# Altium PCB Coral Dev Board Micro.PcbDoc (part 1 of 6) (continued)
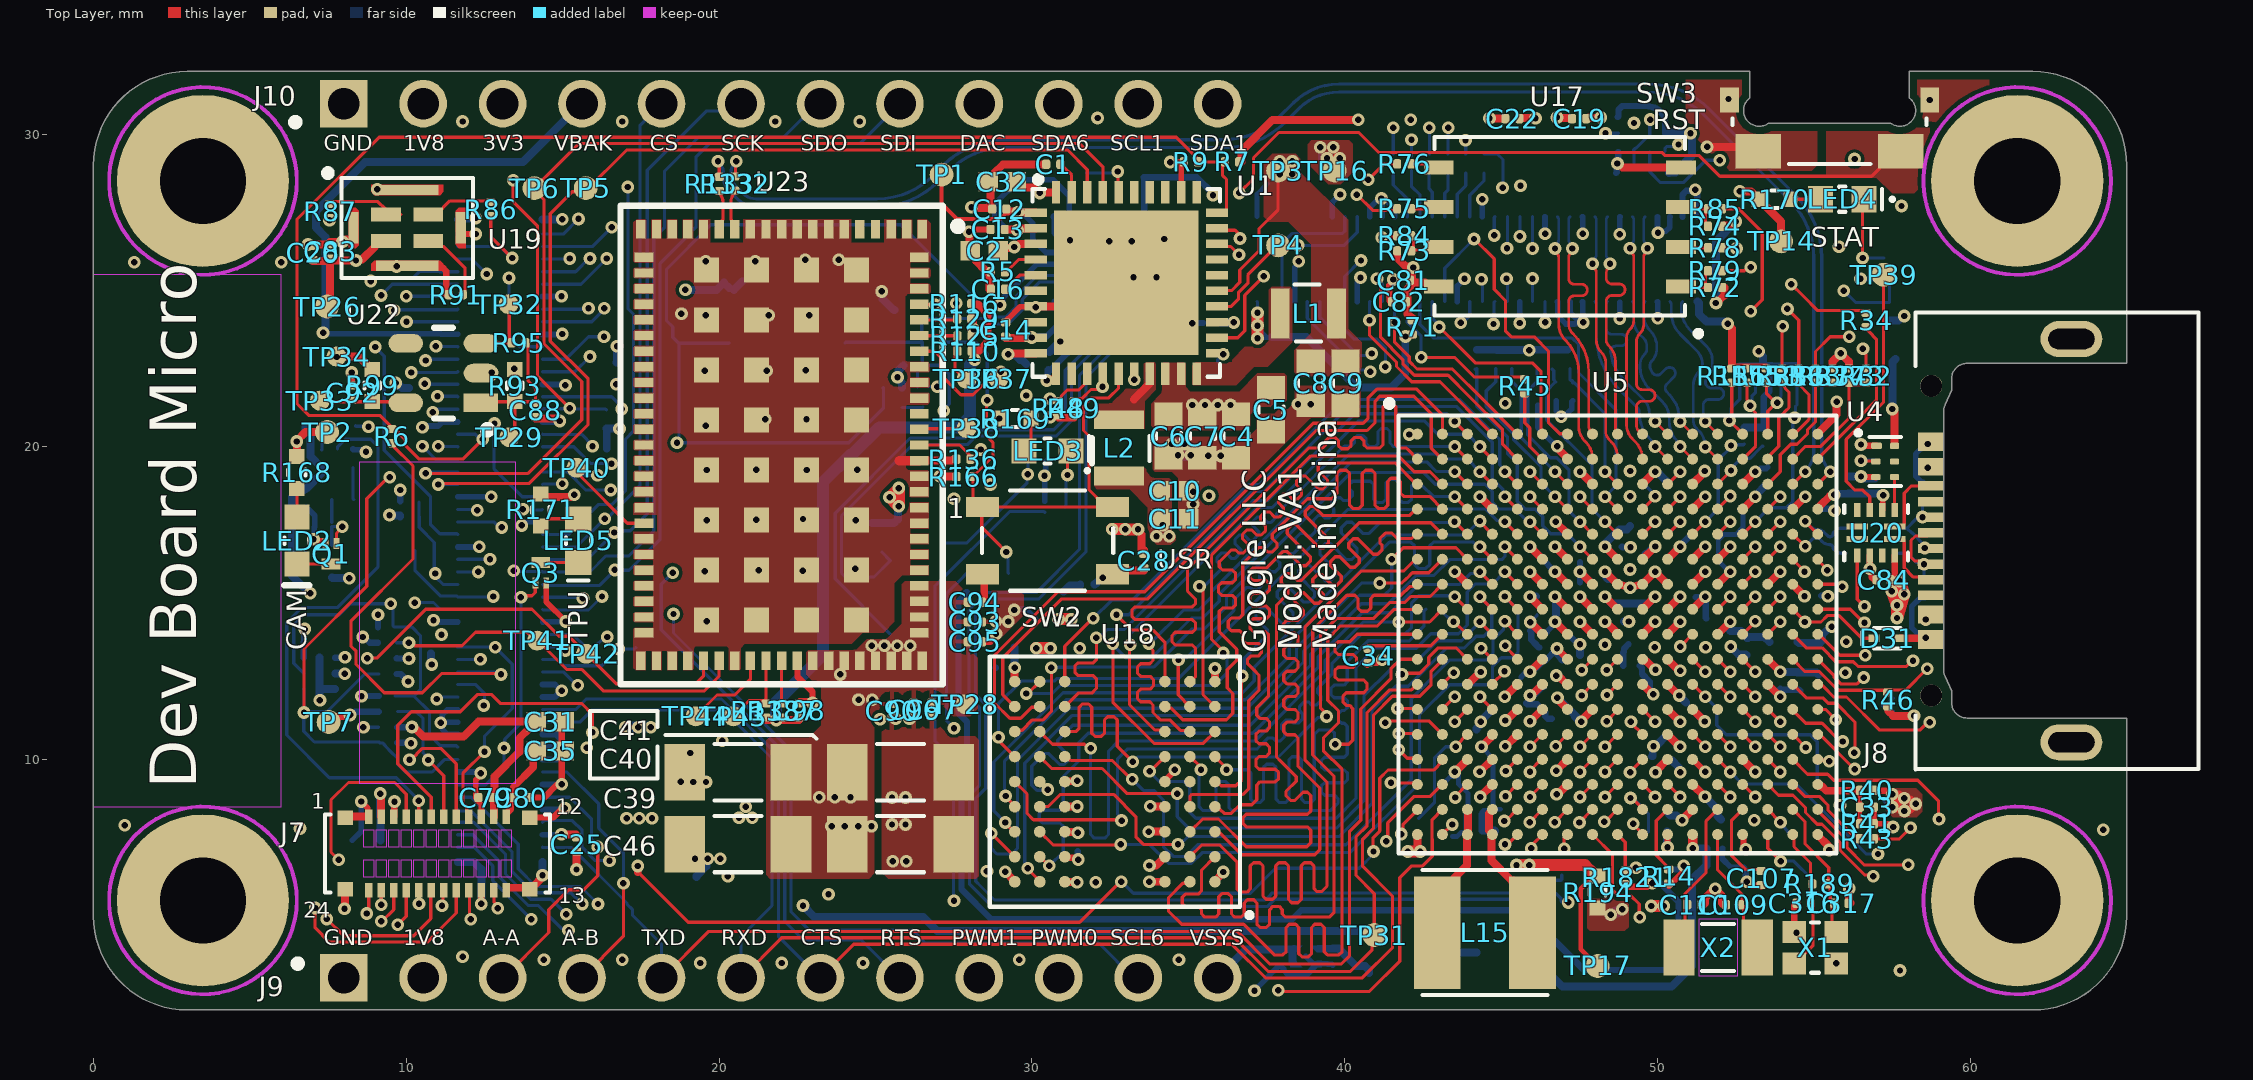
[diagram p0: Top Layer view]
## Components (designator, comment, footprint, x,y, rotation, side; value= is the part's Value field where it differs from the comment) (continued)
C62 "__Template_Cap" C0201_MOD 48.622,14.408 r0 bottom value=4.7UF
C63 "__Template_Cap" C0402#3 49.505,12.217 r0 bottom value=22UF
C67 "__Template_Cap" C0201_MOD 47.523,15.443 r90 bottom value=0.1uF
C74 "__Template_Cap" C0402#3 48.163,13.252 r90 bottom value=10UF
C79 "__Template_Cap" C0201_MOD 12.527,8.788 r180 top value=0.1uF
C80 "__Template_Cap" C0201_MOD 13.665,8.788 r0 top value=0.1uF
C81 "__Template_Cap" C0201_MOD 41.864,25.324 r180 top value=0.1uF
C82 "__Template_Cap" C0201_MOD 41.732,24.638 r180 top value=1UF
C83 "__Template_Cap" C0201_MOD 7.563,26.246 r90 top value=0.1uF
C84 "__Template_Cap" C0201_MOD 57.226,15.748 r180 top value=0.1uF
C85 "__Template_Cap" C0201_MOD 58.511,14.199 r270 bottom value=4.7UF
C87 "__Template_Cap" C0603 18.186,9.296 r0 bottom value=22uF
C88 "__Template_Cap" C0201_MOD 14.13,21.174 r270 top value=1UF
C90 "__Template_Cap" C0201_MOD 25.527,11.557 r270 top value=0.1uF
C91 "__Template_Cap" C0603 25.019,7.366 r0 bottom value=22uF
C92 "__Template_Cap" C0201_MOD 8.268,21.733 r90 top value=1UF
C93 "__Template_Cap" C0201_MOD 28.176,14.402 r0 top value=0.1uF
C94 "__Template_Cap" C0201_MOD 28.176,15.037 r0 top value=0.1uF
C95 "__Template_Cap" C0201_MOD 28.176,13.767 r0 top value=0.1uF
C96 "__Template_Cap" C0201_MOD 26.216,11.601 r270 top value=0.1uF
C97 "__Template_Cap" C0201_MOD 26.794,11.601 r270 top value=0.1uF
C98 "__Template_Cap" C0201_MOD 22.552,11.572 r90 top value=0.1uF
C102 "__Template_Cap" C0201_MOD 45.491,12.395 r45 bottom value=0.1uF
C107 "__Template_Cap" C0201_MOD 53.316,6.214 r270 top value=0.22UF
C109 "__Template_Cap" C0201_MOD 52.413,5.367 r180 top value=18PF
C110 "__Template_Cap" C0201_MOD 51.178,5.367 r0 top value=18PF
C115 "__Template_Cap" C0201_MOD 50.059,8.255 r0 bottom value=0.1uF
C117 "__Template_Cap" C0201_MOD 53.897,12.538 r270 bottom value=1UF
C118 "__Template_Cap" C0402#2 47.955,6.167 r270 bottom value=22UF
C119 "__Template_Cap" C0201_MOD 48.592,16.808 r0 bottom value=1UF
C124 "__Template_Cap" C0201_MOD 46.558,12.141 r135 bottom value=2.2UF
C136 "__Template_Cap" C0201_MOD 50.51,10.996 r225 bottom value=0.1uF
C138 "__Template_Cap" C0402#3 47.072,11.183 r180 bottom value=10UF
C223 "__Template_Cap" C0201_MOD 28.854,6.413 r180 bottom value=0.1uF
C224 "__Template_Cap" C0201_MOD 29.395,13.892 r90 bottom value=4.7UF
C233 "__Template_Cap" C0201_MOD 33.706,6.355 r270 bottom value=0.1uF
C234 "__Template_Cap" C0201_MOD 33.781,8.209 r270 bottom value=0.1uF
C235 "__Template_Cap" C0201_MOD 46.461,15.265 r0 bottom value=4.7UF
C239 "__Template_Cap" C0201_MOD 46.352,15.824 r0 bottom value=2.2UF
C241 "__Template_Cap" C0201_MOD 46.228,13.284 r270 bottom value=4.7UF
C242 "__Template_Cap" C0201_MOD 53.522,19.078 r90 bottom value=2.2UF
C244 "__Template_Cap" C0201_MOD 51.522,16.278 r90 bottom value=1UF
C245 "__Template_Cap" C0201_MOD 52.888,13.619 r270 bottom value=0.1uF
C251 "__Template_Cap" C0201_MOD 54.913,18.217 r315 bottom value=1UF
C252 "__Template_Cap" C0201_MOD 56.109,18.774 r90 bottom value=1UF
C254 "__Template_Cap" C0201_MOD 52.322,16.278 r90 bottom value=2.2UF
C256 "__Template_Cap" C0201_MOD 46.761,9.36 r270 bottom value=2.2UF
C257 "__Template_Cap" C0201_MOD 52.324,13.852 r270 bottom value=1UF
C258 "__Template_Cap" C0201_MOD 51.105,11.633 r135 bottom value=2.2UF
C260 "__Template_Cap" C0201_MOD 48.438,15.469 r90 bottom value=4.7UF
C261 "__Template_Cap" C0201_MOD 49.124,15.24 r90 bottom value=4.7UF
C264 "__Template_Cap" C0201_MOD 49.922,15.529 r90 bottom value=1UF
C265 "__Template_Cap" C0201_MOD 46.203,14.122 r0 bottom value=2.2UF
C266 "__Template_Cap" C0201_MOD 47.331,14.173 r225 bottom value=1UF
C267 "__Template_Cap" C0201_MOD 31.471,7.366 r270 bottom value=0.1uF
C268 "__Template_Cap" C0201_MOD 31.763,6.096 r0 bottom value=0.1uF
C269 "__Template_Cap" C0201_MOD 49.128,13.005 r0 bottom value=0.1uF
C270 "__Template_Cap" C0201_MOD 50.978,15.189 r180 bottom value=1UF
C272 "__Template_Cap" C0201_MOD 50.446,16.808 r0 bottom value=1UF
C273 "__Template_Cap" C0201_MOD 46.965,12.954 r90 bottom value=0.1uF
C276 "__Template_Cap" C0201_MOD 50.622,10.16 r225 bottom value=2.2UF
C277 "__Template_Cap" C0201_MOD 44.895,11.485 r180 bottom value=4.7UF
C279 "__Template_Cap" C0201_MOD 45.846,11.508 r90 bottom value=0.1uF
C280 "__Template_Cap" C0201_MOD 48.666,6.215 r270 bottom value=0.1uF
C285 "__Template_Cap" C0201_MOD 51.522,18.678 r90 bottom value=2.2UF
C286 "__Template_Cap" C0201_MOD 43.866,9.627 r0 bottom value=0.22UF
C287 "__Template_Cap" C0201_MOD 44.133,10.631 r90 bottom value=0.1uF
C290 "__Template_Cap" C0201_MOD 51.273,9.608 r180 bottom value=4.7UF
C293 "__Template_Cap" C0201_MOD 50.33,6.728 r270 bottom value=2.2UF
C294 "__Template_Cap" C0402#2 43.586,6.528 r180 bottom value=22UF
C296 "__Template_Cap" C0201_MOD 49.822,9.839 r90 bottom value=2.2UF
C297 "__Template_Cap" C0402#2 30.116,14.043 r90 bottom value=22UF
C300 "__Template_Cap" C0201_MOD 51.304,8.602 r225 bottom value=4.7UF
C302 "__Template_Cap" C0201_MOD 51.807,7.163 r0 bottom value=1UF
C303 "__Template_Cap" C0201_MOD 29.151,12.941 r180 bottom value=0.1uF
C304 "__Template_Cap" C0201_MOD 31.445,8.89 r270 bottom value=0.1uF
C305 "__Template_Cap" C0201_MOD 52.819,6.837 r270 bottom value=0.1uF
C316 "__Template_Cap" C0201_MOD 54.666,5.41 r0 top value=10pF
C317 "__Template_Cap" C0201_MOD 55.875,5.41 r0 top value=10pF
C327 "__Template_Cap" C0201_MOD 46.114,16.65 r315 bottom value=2.2UF
C345 "__Template_Cap" C0201_MOD 46.452,14.681 r0 bottom value=4.7UF
C347 "__Template_Cap" C0201_MOD 54.969,15.24 r0 bottom value=2.2UF
C348 "__Template_Cap" C0201_MOD 54.458,12.502 r270 bottom value=4.7UF
D1 "__Template_DIODE_SCHOTTKY" D0402_H0.55MM#1 28.88,15.951 r180 bottom value=CDBQR00340-HF
D2 "__Template_DIODE_SCHOTTKY" D0402_H0.55MM#2 41.148,3.175 r180 bottom value=CDBQR00340-HF
D3 "__Template_DIODE_SCHOTTKY" D0402_H0.55MM#2 41.148,4.445 r180 bottom value=CDBQR00340-HF
D4 "__Template_DIODE_SCHOTTKY" SOD123_AK 57.175,10.185 r90 bottom value=RBS2MM40CTR
D5 "__Template_DIODE_SCHOTTKY" D0402_H0.55MM#1 7.97,18.313 r0 bottom value=CDBQR00340-HF
D6 "__Template_DIODE_SCHOTTKY" D0402_H0.55MM#1 26.842,23.444 r180 bottom value=CDBQR00340-HF
D31 "__Template_Diode_TVS_A/K" SOD1060X40 57.341,13.881 r0 top value=ESD9R3.3ST5G
ESD1 "3.5pF/5V" 0201 58.496,18.587 r270 bottom
ESD2 "3.5pF/5V" 0201 58.496,15.499 r90 bottom
FB1 "__Template_Ferrite_Bead" L0402_H0.55MM#1 53.975,13.767 r0 bottom
FB2 "__Template_Ferrite_Bead" L0402_H0.55MM#1 55.543,12.725 r180 bottom
FB3 "__Template_Ferrite_Bead" L0402_H0.55MM#1 49.047,17.907 r270 bottom
FB4 "__Template_Ferrite_Bead" L0402_H0.55MM#1 51.562,14.064 r90 bottom
FB5 "__Template_Ferrite_Bead" L0402_H0.55MM#2 55.593,13.678 r0 bottom
FB6 "__Template_Ferrite_Bead" L0402_H0.55MM#3 30.894,14.042 r270 bottom
J5 "" HIROSE_DF40C-100DP-0.4V(51) 13,17 r90 bottom locked
J6 "" HIROSE_DF40C-100DP-0.4V(51) 41,26 r0 bottom locked
J7 "1087" Molex_5037722410_HM01B0 11,7 r0 top locked
J8 "" EDAC_698B116W26A-661 60.983,17 r90 top locked
J9 "" HEADER_1X12_POS_UNSHROUDED 8,3.03 r0 top locked
J10 "" HEADER_1X12_POS_UNSHROUDED 8,30.97 r0 top locked
L1 "__Template_Inductor" L2016_H1.0MM#1 38.837,24.257 r0 top value=1µH
L2 "__Template_Inductor" L2016_H1.0MM#2 32.791,19.964 r270 top value=1µH
L7 "DLW21HN900SQ2L" IND4_CHOKE_0805 56.87,17 r0 bottom
L15 "IND_74404041047" IND_74404041047 44.483,4.47 r0 top value=4.7µH
LED2 "LED_GRN_A/K" LED_0603_0.67mm#1 6.5,17 r90 top locked value="LG L29K-G2J1-24-Z"
LED3 "LED_GRN_A/K" LED_0603_0.67mm#2 30.5,19.873 r180 top value="LG L29K-G2J1-24-Z"
LED4 "__Template_LED_ORG" LED_0603P_ORANGE 55.905,27.915 r180 top value=LTST-C190AKT
LED5 "__Template_LED_WHT" LED_0603P_WHITE 15.5,17 r90 top locked value=LTW-C193TS5
Q1 "NFET_DMN3900UFA" 3XDFN 7.595,16.581 r270 top
Q2 "NFET_DMN3900UFA" 3XDFN 30.734,18.085 r0 bottom
Q3 "NFET_DMN3900UFA" 3XDFN 14.3,15.977 r90 top
Q4 "NFET_DMN3900UFA" 3XDFN 26.515,21.595 r270 bottom
Q10 "NFET_DMN3900UFA" 3XDFN 57.229,25.7 r90 bottom
R1 "" R1206 34.415,20.803 r0 bottom value=0
R2 "" R0603 38.506,28.918 r0 bottom value=10m
R3 "" R0603 37.668,22.784 r90 bottom value=10m
R4 "" R0201_MOD 33.274,22.398 r90 bottom value=10K
R5 "" R0201_MOD 28.91,25.595 r0 top value=200K
R6 "" R0201_MOD 9.54,20.34 r90 top value=49.9
R7 "" R0201_MOD 36.398,29.108 r0 top value=100K
R8 "" R0603 57.404,13.386 r90 bottom value=0
R9 "" R0201_MOD 35.082,29.108 r0 top value=1M
R10 "" R0201_MOD 41.554,29.058 r90 bottom value=0
R11 "" R0402#1 7.62,16.34 r90 bottom value=10M
R12 "" R0201_MOD 8.072,20.676 r0 bottom value=0
R13 "" R0201_MOD 7.007,20.667 r180 bottom value=100K
R14 "" R0201_MOD 50.355,6.269 r270 top value=0
R15 "" R0603 58.776,9.728 r90 bottom value=0
R16 "" R0201_MOD 42.134,29.058 r90 bottom value=0
R17 "" R0201_MOD 56.947,19.283 r90 bottom value=100K
R18 "" R0201_MOD 42.713,29.058 r90 bottom value=0
R19 "" R0201_MOD 43.292,29.058 r90 bottom value=0
R20 "" R0201_MOD 43.871,29.058 r90 bottom value=0
R21 "" R0201_MOD 48.951,30.543 r180 bottom value=100K
R22 "" R0805 25.476,15.189 r270 bottom value=0
R23 "" R0201_MOD 54.458,22.281 r90 bottom value=10K
R24 "" R0201_MOD 10.084,22.103 r270 bottom value=10K
R26 "" R0201_MOD 44.45,29.058 r90 bottom value=0
R27 "" R0201_MOD 48.971,28.753 r0 bottom value=100K
R29 "" R0201_MOD 26.192,22.606 r180 bottom value=4.7K
R30 "" R0201_MOD 25.548,21.895 r0 bottom value=4.7K
R31 "" R0201_MOD 25.552,21.26 r180 bottom value=100
R32 "" R0201_MOD 56.663,22.276 r90 top value=0
R33 "" R0201_MOD 55.05,22.276 r90 top value=0
R34 "" R0201_MOD 56.667,24.054 r90 top value=0
R35 "" R0201_MOD 53.975,22.276 r90 top value=0
R36 "" R0201_MOD 54.513,22.276 r90 top value=0
R37 "" R0201_MOD 10.104,17.78 r180 bottom value=4.7K
R38 "" R0201_MOD 10.104,18.263 r0 bottom value=4.7K
R39 "" R0201_MOD 30.18,19.558 r180 bottom value=4.7K
R40 "" R0201_MOD 56.693,9.017 r0 top value=1M
R41 "" R0201_MOD 56.693,7.95 r180 top value=430K
R43 "" R0201_MOD 56.693,7.468 r0 top value=0
R44 "" R0201_MOD 55.428,9.352 r0 bottom value=0
R45 "" R0201_MOD 45.758,21.938 r90 top value=0
R46 "" R0201_MOD 57.363,11.922 r270 top value=4.7K
R47 "" R0201_MOD 16.708,19.952 r180 bottom value=4.7K
R48 "" R0201_MOD 30.848,21.234 r270 top value=4.7K
R49 "" R0201_MOD 31.344,21.234 r270 top value=4.7K
R50 "" R0201_MOD 16.396,20.884 r270 bottom value=4.7K
R51 "" R0201_MOD 10.782,13.695 r270 bottom value=4.7K
R53 "" R0201_MOD 50.063,28.753 r0 bottom value=100K
R71 "" R0201_MOD 42.164,23.817 r270 top value=0
R72 "" R0201_MOD 51.837,25.095 r0 top value=10K
R73 "" R0201_MOD 41.902,26.264 r180 top value=33K
R74 "" R0201_MOD 51.837,27.051 r0 top value=33K
R75 "" R0201_MOD 41.902,27.61 r0 top value=0
R76 "" R0201_MOD 41.902,29.045 r0 top value=0
R78 "" R0201_MOD 51.837,26.365 r180 top value=0
R79 "" R0201_MOD 51.837,25.629 r180 top value=0
R84 "" R0201_MOD 41.902,26.746 r0 top value=0
R85 "" R0201_MOD 51.837,27.61 r180 top value=0
R86 "" R0201_MOD 12.7,27.6 r90 top value=0
R87 "" R0201_MOD 7.563,27.538 r270 top value=0
R90 "" R0201_MOD 31.513,13.258 r90 bottom value=4.7K
R91 "" R0201_MOD 11.582,24.867 r0 top value=0
R93 "" R0402#1 13.469,21.956 r270 top value=10m
R95 "" R0201_MOD 13.591,23.323 r0 top value=10K
R99 "" R0402#1 8.915,21.963 r90 top value=10m
R110 "" R0201_MOD 27.846,23.063 r0 top value=0
R116 "" R0201_MOD 27.838,24.575 r0 top value=10K
R117 "" R0402#1 49.581,13.691 r0 bottom value=10m
R125 "" R0201_MOD 27.846,23.546 r180 top value=10K
R129 "" R0201_MOD 27.838,24.092 r180 top value=10K
R132 "" R0201_MOD 20.498,28.415 r270 top value=0
R133 "" R0201_MOD 20.007,28.408 r270 top value=0
R135 "" R0201_MOD 34.061,9.639 r180 bottom value=100K
R136 "" R0201_MOD 27.813,19.609 r0 top value=10K
R137 "" R0201_MOD 22.025,11.567 r270 top value=0
R138 "" R0201_MOD 21.498,11.567 r270 top value=0
R139 "" R0201_MOD 49.343,19.059 r135 bottom value=4.7K
R140 "" R0201_MOD 52.781,20.32 r90 bottom value=4.7K
R141 "" R0201_MOD 53.962,22.284 r90 bottom value=4.7K
R142 "" R0201_MOD 53.365,20.32 r90 bottom value=4.7K
R143 "" R0201_MOD 53.137,22.276 r90 bottom value=4.7K
R144 "" R0201_MOD 52.629,22.276 r90 bottom value=4.7K
R145 "" R0201_MOD 46.152,22.804 r90 bottom value=4.7K
R146 "" R0201_MOD 44.221,22.804 r90 bottom value=4.7K
R147 "" R0201_MOD 46.634,22.804 r90 bottom value=4.7K
R148 "" R0201_MOD 44.831,22.804 r90 bottom value=4.7K
R149 "" R0201_MOD 45.339,22.804 r90 bottom value=4.7K
R150 "" R0201_MOD 47.117,22.804 r90 bottom value=4.7K
R151 "" R0201_MOD 50.134,18.649 r45 bottom value=47K
R152 "" R0201_MOD 51.351,17.437 r225 bottom value=47K
R153 "" R0201_MOD 53.48,22.276 r90 top value=47K
R154 "" R0201_MOD 52.599,19.232 r0 bottom value=47K
R155 "" R0201_MOD 52.857,22.276 r90 top value=47K
R156 "" R0201_MOD 52.375,22.276 r90 top value=47K
R157 "" R0201_MOD 46.152,21.773 r270 bottom value=47K
R158 "" R0201_MOD 47.523,16.535 r270 bottom value=47K
R159 "" R0201_MOD 46.761,21.773 r270 bottom value=47K
R160 "" R0201_MOD 44.831,21.773 r270 bottom value=47K
R161 "" R0201_MOD 45.339,21.773 r270 bottom value=47K
R162 "" R0201_MOD 47.285,21.773 r270 bottom value=47K
R163 "" R0402#1 18.72,23.825 r270 bottom value=4.7K
R164 "" R0402#1 25.603,23.855 r270 bottom value=100
R166 "" R0201_MOD 27.813,19.05 r180 top value=100K
R167 "" R0201_MOD 27.927,15.651 r270 bottom value=100K
R168 "" R0402#1 6.502,19.182 r90 top value=100
R169 "" R0402#1 29.464,20.904 r180 top value=100
R170 "" R0402#1 53.746,27.915 r180 top value=100
R171 "" R0402#1 14.3,17.983 r90 top value=100
R172 "" R0201_MOD 57.429,24.333 r270 bottom value=100K
R189 "" R0201_MOD 55.175,6.027 r180 top value=1M
R194 "" R0402#2 48.082,5.766 r90 top value=10m
R215 "" R0201_MOD 50.008,7.696 r0 bottom value=10K
R365 "" R0201_MOD 42.822,14.808 r180 bottom value=0
R373 "" R0201_MOD 56.126,22.276 r90 top value=10K
R374 "" R0201_MOD 55.588,22.276 r90 top value=10K
R375 "" R0201_MOD 52.91,18.196 r45 bottom value=0
R396 "" R0201_MOD 43.929,7.511 r90 bottom value=30K
R397 "" R0201_MOD 44.412,7.511 r90 bottom value=4.7K
R398 "" R0201_MOD 44.412,8.547 r270 bottom value=4.7K
R415 "" R0402#1 52.544,8.09 r180 bottom value=10m
R416 "" R0402#2 47.117,5.804 r270 bottom value=10m
R419 "" R0201_MOD 44.521,3.835 r0 bottom value=1
R1821 "" R0201_MOD 48.971,6.241 r270 top value=100K
R1848 "" R0201_MOD 49.407,16.361 r45 bottom value=0
SW1 "SWITCH_NIDEC_CAS-D20TA" SWITCH_CAS-D20TA 22.174,23.324 r180 bottom
SW2 "SWITCH_TAH1QR" SWITCH_TAH1QR 30.5,17 r0 top
SW3 "SWITCH_E-SWITCH_TL4100AF120QG" SWITCH_TL4100AF120QG 55.5,30.27 r180 top locked
TP1 "TESTPAD_30MIL" TESTPAD_SMT_30MIL#1 27.114,28.702 r90 top
TP2 "TESTPAD_30MIL" TESTPAD_SMT_30MIL#1 7.468,20.472 r90 top
TP3 "TESTPAD_30MIL" TESTPAD_SMT_30MIL#2 37.871,28.829 r90 top
TP4 "TESTPAD_30MIL" TESTPAD_SMT_30MIL#1 37.871,26.441 r90 top
TP5 "TESTPAD_30MIL" TESTPAD_SMT_30MIL#1 15.735,28.27 r90 top
TP6 "TESTPAD_30MIL" TESTPAD_SMT_30MIL#1 14.097,28.27 r90 top
TP7 "TESTPAD_30MIL" TESTPAD_SMT_30MIL#1 7.518,11.201 r90 top
TP8 "TESTPAD_30MIL" TESTPAD_SMT_30MIL#1 31.75,28.75 r90 bottom
TP9 "TESTPAD_30MIL" TESTPAD_SMT_30MIL#1 15.862,13.589 r90 bottom
TP10 "TESTPAD_30MIL" TESTPAD_SMT_30MIL#2 43.231,3.835 r0 bottom
TP11 "TESTPAD_30MIL" TESTPAD_SMT_30MIL#2 45.872,3.708 r270 bottom
TP12 "TESTPAD_30MIL" TESTPAD_SMT_30MIL#1 17.602,13.589 r90 bottom
TP13 "TESTPAD_30MIL" TESTPAD_SMT_30MIL#1 20.1,10.7 r90 bottom
TP14 "TESTPAD_30MIL" TESTPAD_SMT_30MIL#1 53.95,26.568 r90 top
TP15 "TESTPAD_30MIL" TESTPAD_SMT_30MIL#1 33.75,28.5 r90 bottom
TP16 "TESTPAD_30MIL" TESTPAD_SMT_30MIL#2 39.675,28.829 r270 top
TP17 "TESTPAD_30MIL" TESTPAD_SMT_30MIL#1 48.082,3.404 r270 top
TP18 "TESTPAD_30MIL" TESTPAD_SMT_30MIL#1 17.285,17.437 r0 bottom
TP19 "TESTPAD_30MIL" TESTPAD_SMT_30MIL#1 18.288,28.448 r0 bottom
TP20 "TESTPAD_30MIL" TESTPAD_SMT_30MIL#1 19.304,27.686 r0 bottom
TP21 "TESTPAD_30MIL" TESTPAD_SMT_30MIL#1 10.274,16.688 r0 bottom
TP22 "TESTPAD_30MIL" TESTPAD_SMT_30MIL#1 54.305,7.518 r90 bottom
TP23 "TESTPAD_30MIL" TESTPAD_SMT_30MIL#1 54.94,6.172 r90 bottom
TP24 "TESTPAD_30MIL" TESTPAD_SMT_30MIL#1 10.274,15.05 r0 bottom
TP25 "TESTPAD_30MIL" TESTPAD_SMT_30MIL#1 42.367,8.128 r90 bottom
TP26 "TESTPAD_30MIL" TESTPAD_SMT_30MIL#1 7.468,24.486 r90 top
TP27 "TESTPAD_30MIL" TESTPAD_SMT_30MIL#1 35.941,22.708 r270 bottom
TP28 "TESTPAD_25MIL" TESTPAD_SMT_25MIL#1 27.877,11.773 r270 top
TP29 "TESTPAD_25MIL" TESTPAD_SMT_25MIL#2 13.297,20.307 r270 top
TP30 "TESTPAD_30MIL" TESTPAD_SMT_30MIL#1 17.227,5.035 r270 bottom
TP31 "TESTPAD_30MIL" TESTPAD_SMT_30MIL#1 40.945,4.394 r270 top
TP32 "TESTPAD_25MIL" TESTPAD_SMT_25MIL#2 13.271,24.562 r270 top
TP33 "TESTPAD_25MIL" TESTPAD_SMT_25MIL#2 7.239,21.476 r270 top
TP34 "TESTPAD_25MIL" TESTPAD_SMT_25MIL#2 7.772,22.885 r270 top
TP35 "TESTPAD_25MIL" TESTPAD_SMT_25MIL#2 27.663,24.572 r90 bottom
TP36 "TESTPAD_25MIL" TESTPAD_SMT_25MIL#2 27.915,22.174 r90 top
TP37 "TESTPAD_25MIL" TESTPAD_SMT_25MIL#2 28.931,22.174 r90 top
TP38 "TESTPAD_25MIL" TESTPAD_SMT_25MIL#2 27.915,20.599 r90 top
TP39 "TESTPAD_30MIL" TESTPAD_SMT_30MIL#3 57.226,25.502 r90 top
TP40 "TESTPAD_25MIL" TESTPAD_SMT_25MIL#2 15.443,19.329 r90 top
TP41 "TESTPAD_25MIL" TESTPAD_SMT_25MIL#2 14.186,13.805 r270 top
TP42 "TESTPAD_25MIL" TESTPAD_SMT_25MIL#2 15.748,13.386 r270 top
TP43 "TESTPAD_25MIL" TESTPAD_SMT_25MIL#2 20.456,11.385 r270 top
TP44 "TESTPAD_25MIL" TESTPAD_SMT_25MIL#2 19.254,11.385 r270 top
TP45 "TESTPAD_30MIL" TESTPAD_SMT_30MIL#3 57.607,22.809 r90 bottom
U1 "PMIC_DIALOG_SEMI_DA9061" QFN50P600X600X90-40-TP 33.02,25.24 r0 top
U2 "REG_LIN_TCR2LN33" SDFN80X80X40-5 38.76,3.708 r270 bottom
U3 "BUF_SN74LVC1G126DRYR" SON50P145X100X60-6 7.798,19.634 r270 bottom
U4 "TRANSLATOR_74AXP1T34GMH" SON50P145X100X50-6 57.277,19.533 r0 top
U5 "MCU_MIMXRT1176CVM8A" BGA289C80P17X17_1400X14000X152 48.722,14.008 r0 top locked
U6 "SECUR_AUTH_A7101CHUK" BGA12C50+3X4_206X202X65 7.222,13.009 r270 bottom
U10 "74LVC2G66GT" SON8_0P5_1L95x1W 9.398,13.487 r0 bottom
U13 "74LVC2G66GT" SON8_0P5_1L95x1W 9.416,11.286 r0 bottom
U14 "74LVC2G66GT" SON8_0P5_1L95x1W 49.493,29.726 r90 bottom
U17 "FLASH_MT29F1G01ABBFDWB" UDFN800X600X65-8 46.877,27.026 r180 top locked
U18 "SDRAM_MT48H32M16LFB4-6" BGA54C80P6X9_800X800X100 32.652,9.297 r180 top locked
U19 "MIC_SPK0641HT4H-1" MIC_SPK0641HT4H-1 10.03,27 r270 top
U20 "CONTROLLER_PTN5150AHXMP" X2QFN12_1.6X1.6MMM 56.985,17.25 r180 top locked
U21 "SWITCH_SIP32408DNP-T1-GE4" TDFN120X160X60-4-TP 26.949,17.653 r270 bottom
U22 "LDO_NCP170ASN180T2G" 5SOT23_REG 11.183,22.358 r180 top
U23 "LBPB0ZZ1WV-TEMP" QFN120_0P5_10X15 22,20.058 r180 top locked (schematic designator u23)
X1 "XTAL_MURATA_XRCGB24M000F1H01R0" XTAL_MURATA_XRCGB24M000F1H01R0 55.042,3.988 r0 top
X2 "__template_xtal" XTAL_EPSON_ADUCM355BCCZ 51.935,3.995 r0 top

## Footprints (in the part's own frame and the unit in brackets; to place one, negate y for a bottom-side part, rotate by r counter-clockwise, add the part's x,y. Pads: shape width x height; smd on the part's side, far side on the other; paste and mask are expansions set on the pad)
3XDFN [mm] "DFN, 3-Leads, Body 0.80x0.60mm, Pitch 0.65mm, IPC Medium Density"
  rect 0.35x0.191 smd mask+0.05: 1(-0.325,0.175) 2(-0.325,-0.175)
  rect 0.35x0.6 smd mask+0.05: 3(0.325,0)
  body extent -0.33,-0.43 0.33,0.43, height 0.4
5SOT23_REG [mm] "SOT23, 5-Leads, Body 2.9x2.8mm (max), Pitch 0.95mm, IPC High Density"
  rect 1.1x0.6 smd mask+0.051: 1(-1.2,0.95)
  oval 1.1x0.6 smd mask+0.051: 2(-1.2,0) 3(-1.2,-0.95) 4(1.2,-0.95) 5(1.2,0.95)
  silkscreen extent -1.54,-1.45 0.3,1.93, body extent -1.5,-1.5 1.5,1.5, height 1.46
0201 [mm]
  rect 0.28x0.37 smd mask+0.05: 1(-0.274,0) 2(0.274,0)
  body extent -0.3,-0.15 0.3,0.15, height 0.22
BGA12C50+3X4_206X202X65 [mm]
  round 0.3 smd mask+0.05: A1(-0.75,0.5) A2(-0.25,0.5) A3(0.25,0.5) A4(0.75,0.5) B1(-0.75,0) B2(-0.25,0) B3(0.25,0) B4(0.75,0) C1(-0.75,-0.5) C2(-0.25,-0.5) C3(0.25,-0.5) C4(0.75,-0.5)
  silkscreen extent -1.34,-1.01 1.03,1.07, body extent -1.03,-1.01 1.03,1.01, height 0.65
BGA54C80P6X9_800X800X100 [mm]
  round 0.37 smd mask+0.05: A1(-3.2,3.2) A2(-2.4,3.2) A3(-1.6,3.2) A7(1.6,3.2) A8(2.4,3.2) A9(3.2,3.2) B1(-3.2,2.4) B2(-2.4,2.4) B3(-1.6,2.4) B7(1.6,2.4) B8(2.4,2.4) B9(3.2,2.4) C1(-3.2,1.6) C2(-2.4,1.6) C3(-1.6,1.6) C7(1.6,1.6) C8(2.4,1.6) C9(3.2,1.6) D1(-3.2,0.8) D2(-2.4,0.8) D3(-1.6,0.8) D7(1.6,0.8) D8(2.4,0.8) D9(3.2,0.8) E1(-3.2,0) E2(-2.4,0) E3(-1.6,0) E7(1.6,0) E8(2.4,0) E9(3.2,0) F1(-3.2,-0.8) F2(-2.4,-0.8) F3(-1.6,-0.8) F7(1.6,-0.8) F8(2.4,-0.8) F9(3.2,-0.8) G1(-3.2,-1.6) G2(-2.4,-1.6) G3(-1.6,-1.6) G7(1.6,-1.6) G8(2.4,-1.6) G9(3.2,-1.6) H1(-3.2,-2.4) H2(-2.4,-2.4) H3(-1.6,-2.4) H7(1.6,-2.4) H8(2.4,-2.4) H9(3.2,-2.4) J1(-3.2,-3.2) J2(-2.4,-3.2) J3(-1.6,-3.2) J7(1.6,-3.2) J8(2.4,-3.2) J9(3.2,-3.2)
  silkscreen extent -4,-4 4,4, body extent -4,-4 4,4, height 0.99
BGA289C80P17X17_1400X14000X152 [mm]
  round 0.35 smd mask+0.05: A1(-6.4,6.4) A2(-5.6,6.4) A3(-4.8,6.4) A4(-4,6.4) A5(-3.2,6.4) A6(-2.4,6.4) A7(-1.6,6.4) A8(-0.8,6.4) A9(0,6.4) A10(0.8,6.4) A11(1.6,6.4) A12(2.4,6.4) A13(3.2,6.4) A14(4,6.4) A15(4.8,6.4) A16(5.6,6.4) A17(6.4,6.4) B1(-6.4,5.6) B2(-5.6,5.6) B3(-4.8,5.6) B4(-4,5.6) B5(-3.2,5.6) B6(-2.4,5.6) B7(-1.6,5.6) B8(-0.8,5.6) B9(0,5.6) B10(0.8,5.6) B11(1.6,5.6) B12(2.4,5.6) B13(3.2,5.6) B14(4,5.6) B15(4.8,5.6) B16(5.6,5.6) B17(6.4,5.6) C1(-6.4,4.8) C2(-5.6,4.8) C3(-4.8,4.8) C4(-4,4.8) C5(-3.2,4.8) C6(-2.4,4.8) C7(-1.6,4.8) C8(-0.8,4.8) C9(0,4.8) C10(0.8,4.8) C11(1.6,4.8) C12(2.4,4.8) C13(3.2,4.8) C14(4,4.8) C15(4.8,4.8) C16(5.6,4.8) C17(6.4,4.8) D1(-6.4,4) D2(-5.6,4) D3(-4.8,4) D4(-4,4) D5(-3.2,4) D6(-2.4,4) D7(-1.6,4) D8(-0.8,4) D9(0,4) D10(0.8,4) D11(1.6,4) D12(2.4,4) D13(3.2,4) D14(4,4) D15(4.8,4) D16(5.6,4) D17(6.4,4) E1(-6.4,3.2) E2(-5.6,3.2) E3(-4.8,3.2) E4(-4,3.2) E5(-3.2,3.2) E6(-2.4,3.2) E7(-1.6,3.2) E8(-0.8,3.2) E9(0,3.2) E10(0.8,3.2) E11(1.6,3.2) E12(2.4,3.2) E13(3.2,3.2) E14(4,3.2) E15(4.8,3.2) E16(5.6,3.2) E17(6.4,3.2) F1(-6.4,2.4) F2(-5.6,2.4) F3(-4.8,2.4) F4(-4,2.4) F5(-3.2,2.4) F6(-2.4,2.4) F7(-1.6,2.4) F8(-0.8,2.4) F9(0,2.4) F10(0.8,2.4) F11(1.6,2.4) F12(2.4,2.4) F13(3.2,2.4) F14(4,2.4) F15(4.8,2.4) F16(5.6,2.4) F17(6.4,2.4) G1(-6.4,1.6) G2(-5.6,1.6) G3(-4.8,1.6) G4(-4,1.6) G5(-3.2,1.6) G6(-2.4,1.6) G7(-1.6,1.6) G8(-0.8,1.6) G9(0,1.6) G10(0.8,1.6) G11(1.6,1.6) G12(2.4,1.6) G13(3.2,1.6) G14(4,1.6) G15(4.8,1.6) G16(5.6,1.6) G17(6.4,1.6) H1(-6.4,0.8) H2(-5.6,0.8) H3(-4.8,0.8) H4(-4,0.8) H5(-3.2,0.8) H6(-2.4,0.8) H7(-1.6,0.8) H8(-0.8,0.8) H9(0,0.8) H10(0.8,0.8) H11(1.6,0.8) H12(2.4,0.8) H13(3.2,0.8) H14(4,0.8) H15(4.8,0.8) H16(5.6,0.8) H17(6.4,0.8) J1(-6.4,0) J2(-5.6,0) J3(-4.8,0) J4(-4,0) J5(-3.2,0) J6(-2.4,0) J7(-1.6,0) J8(-0.8,0) J9(0,0) J10(0.8,0) J11(1.6,0) J12(2.4,0) J13(3.2,0) J14(4,0) J15(4.8,0) J16(5.6,0) J17(6.4,0) K1(-6.4,-0.8) K2(-5.6,-0.8) K3(-4.8,-0.8) K4(-4,-0.8) K5(-3.2,-0.8) K6(-2.4,-0.8) K7(-1.6,-0.8) K8(-0.8,-0.8) K9(0,-0.8) K10(0.8,-0.8) K11(1.6,-0.8) K12(2.4,-0.8) K13(3.2,-0.8) K14(4,-0.8) K15(4.8,-0.8) K16(5.6,-0.8) K17(6.4,-0.8) L1(-6.4,-1.6) L2(-5.6,-1.6) L3(-4.8,-1.6) L4(-4,-1.6) L5(-3.2,-1.6) L6(-2.4,-1.6) L7(-1.6,-1.6) L8(-0.8,-1.6) L9(0,-1.6) L10(0.8,-1.6) L11(1.6,-1.6) L12(2.4,-1.6) L13(3.2,-1.6) L14(4,-1.6) L15(4.8,-1.6) L16(5.6,-1.6) L17(6.4,-1.6) M1(-6.4,-2.4) M2(-5.6,-2.4) M3(-4.8,-2.4) M4(-4,-2.4) M5(-3.2,-2.4) M6(-2.4,-2.4) M7(-1.6,-2.4) M8(-0.8,-2.4) M9(0,-2.4) M10(0.8,-2.4) M11(1.6,-2.4) M12(2.4,-2.4) M13(3.2,-2.4) M14(4,-2.4) M15(4.8,-2.4) M16(5.6,-2.4) M17(6.4,-2.4) N1(-6.4,-3.2) N2(-5.6,-3.2) N3(-4.8,-3.2) N4(-4,-3.2) N5(-3.2,-3.2) N6(-2.4,-3.2) N7(-1.6,-3.2) N8(-0.8,-3.2) N9(0,-3.2) N10(0.8,-3.2) N11(1.6,-3.2) N12(2.4,-3.2) N13(3.2,-3.2) N14(4,-3.2) N15(4.8,-3.2) N16(5.6,-3.2) N17(6.4,-3.2) P1(-6.4,-4) P2(-5.6,-4) P3(-4.8,-4) P4(-4,-4) P5(-3.2,-4) P6(-2.4,-4) P7(-1.6,-4) P8(-0.8,-4) P9(0,-4) P10(0.8,-4) P11(1.6,-4) P12(2.4,-4) P13(3.2,-4) P14(4,-4) P15(4.8,-4) P16(5.6,-4) P17(6.4,-4) R1(-6.4,-4.8) R2(-5.6,-4.8) R3(-4.8,-4.8) R4(-4,-4.8) R5(-3.2,-4.8) R6(-2.4,-4.8) R7(-1.6,-4.8) R8(-0.8,-4.8) R9(0,-4.8) R10(0.8,-4.8) R11(1.6,-4.8) R12(2.4,-4.8) R13(3.2,-4.8) R14(4,-4.8) R15(4.8,-4.8) R16(5.6,-4.8) R17(6.4,-4.8) T1(-6.4,-5.6) T2(-5.6,-5.6) T3(-4.8,-5.6) T4(-4,-5.6) T5(-3.2,-5.6) T6(-2.4,-5.6) T7(-1.6,-5.6) T8(-0.8,-5.6) T9(0,-5.6) T10(0.8,-5.6) T11(1.6,-5.6) T12(2.4,-5.6) T13(3.2,-5.6) T14(4,-5.6) T15(4.8,-5.6) T16(5.6,-5.6) T17(6.4,-5.6) U1(-6.4,-6.4) U2(-5.6,-6.4) U3(-4.8,-6.4) U4(-4,-6.4) U5(-3.2,-6.4) U6(-2.4,-6.4) U7(-1.6,-6.4) U8(-0.8,-6.4) U9(0,-6.4) U10(0.8,-6.4) U11(1.6,-6.4) U12(2.4,-6.4) U13(3.2,-6.4) U14(4,-6.4) U15(4.8,-6.4) U16(5.6,-6.4) U17(6.4,-6.4)
  silkscreen extent -7,-7 7,7, body extent -7,-7 7,7, height 1.52
C0201_MOD [mm] "Chip Cap, 0.6x0.3mm, Copied R0201 FPs"
  rrect50% 0.26x0.3 smd mask+0.05: 1(-0.225,0) 2(0.225,0)
  body extent -0.31,-0.17 0.32,0.17, height 0.33
C0402#1 [mm] "Chip Capacitor, 2-Leads, Body 1.0x0.5mm, IPC High Density"
  rect 0.62x0.62 smd mask+0.05: 1(-0.45,0) 2(0.45,0)
  body extent -0.53,-0.28 0.53,0.28, height 0.55
C0402#2 [mm] "Chip Capacitor, 2-Leads, Body 1.0x0.5mm, IPC High Density"
  rect 0.62x0.62 smd mask+0: 1(-0.45,0) 2(0.45,0)
  body extent -0.53,-0.28 0.53,0.28, height 0.55
C0402#3 [mm] "Chip Capacitor, 2-Leads, Body 1.0x0.5mm, IPC High Density"
  rect 0.62x0.62 smd mask+0: 1(-0.45,0)
  rect 0.62x0.62 smd mask+0.05: 2(0.45,0)
  body extent -0.53,-0.28 0.53,0.28, height 0.55
C0603 [mm] "Chip Capacitor, 2-Leads, Body 1.6x0.8mm, IPC High Density"
  rect 0.95x1 smd mask+0: 1(-0.8,0) 2(0.8,0)
  silkscreen extent -0.1,-0.4 0.1,0.4, body extent -0.8,-0.4 0.8,0.4, height 0.9
C0603_L_ZEROMASK [mm] "CAP, CER, X5R, 22uF, 20%, 10V, 0603"
  rect 0.75x0.9 smd mask+0: 1(-0.7,0) 2(0.7,0)
  silkscreen extent -0.1,-0.4 0.1,0.4, body extent -0.8,-0.4 0.8,0.4, height 0.9
C1206Y_1.90MM#1 [mm]
  rect 1.3x1.8 smd mask+0: 1(-1.7,0)
  rect 1.3x1.8 smd mask+0.05: 2(1.7,0)
  silkscreen extent -0.75,-0.9 0.75,0.9, body extent -1.7,-0.9 1.7,0.9, height 1.9
C1206Y_1.90MM#2 [mm]
  rect 1.3x1.8 smd mask+0: 1(-1.7,0) 2(1.7,0)
  silkscreen extent -0.75,-0.9 0.75,0.9, body extent -1.7,-0.9 1.7,0.9, height 1.9
D0402_H0.55MM#1 [mm]
  rect 0.5x0.7 smd mask+0.05: A(0.375,0) K(-0.375,0)
  silkscreen extent -0.25,-0.58 0.25,0.58, body extent -0.52,-0.33 0.52,0.33, height 0.56
D0402_H0.55MM#2 [mm]
  rect 0.5x0.7 smd mask+0.05: A(0.375,0)
  rect 0.5x0.7 smd mask+0: K(-0.375,0)
  silkscreen extent -0.25,-0.58 0.25,0.58, body extent -0.52,-0.33 0.52,0.33, height 0.56
EDAC_698B116W26A-661 [mm]
  round 0.7 hole 0.7 unplated mask+0.05: 0(-4.95,2.233) 0(4.95,2.233)
  rect 0.6x0.83 smd mask+0.05: 1(-3.16,2.248) 12(3.16,2.248)
  rect 0.56x0.83 smd mask+0.05: 2(-2.36,2.248) 11(2.36,2.248)
  rect 0.3x0.83 smd mask+0.05: 3(-1.75,2.248) 4(-1.25,2.248) 5(-0.75,2.248) 6(-0.25,2.248) 7(0.25,2.248) 8(0.75,2.248) 9(1.25,2.248) 10(1.75,2.248)
  oval 1.15x1.98 hole 0.65 slot 1.48 at 90 deg mask+0.05: SH1(-6.445,-2.247) SH2(6.445,-2.247)
  silkscreen extent -7.31,-6.31 7.3,2.74, body extent -7.32,-6.28 7.32,2.74, height 2.94
HEADER_1X12_POS_UNSHROUDED [mil]
  rect 60x60 hole 40 mask+1.97: 1(0,0)
  round 60 hole 40 mask+1.97: 2(100,0) 3(200,0) 4(300,0) 5(400,0) 6(500,0) 7(600,0) 8(700,0) 9(800,0) 10(900,0) 11(1000,0) 12(1100,0)
  silkscreen extent -62,14 -54,22, body extent -49,-49 1151,51, height 330
HIROSE_DF40C-100DP-0.4V(51) [mm]
  rect 0.19x0.66 smd mask+0.05: 1(-9.8,-1.355) 2(-9.8,1.355) 3(-9.4,-1.355) 4(-9.4,1.355) 5(-9,-1.355) 6(-9,1.355) 7(-8.6,-1.355) 8(-8.6,1.355) 9(-8.2,-1.355) 10(-8.2,1.355) 11(-7.8,-1.355) 12(-7.8,1.355) 13(-7.4,-1.355) 14(-7.4,1.355) 15(-7,-1.355) 16(-7,1.355) 17(-6.6,-1.355) 18(-6.6,1.355) 19(-6.2,-1.355) 20(-6.2,1.355) 21(-5.8,-1.355) 22(-5.8,1.355) 23(-5.4,-1.355) 24(-5.4,1.355) 25(-5,-1.355) 26(-5,1.355) 27(-4.6,-1.355) 28(-4.6,1.355) 29(-4.2,-1.355) 30(-4.2,1.355) 31(-3.8,-1.355) 32(-3.8,1.355) 33(-3.4,-1.355) 34(-3.4,1.355) 35(-3,-1.355) 36(-3,1.355) 37(-2.6,-1.355) 38(-2.6,1.355) 39(-2.2,-1.355) 40(-2.2,1.355) 41(-1.8,-1.355) 42(-1.8,1.355) 43(-1.4,-1.355) 44(-1.4,1.355) 45(-1,-1.355) 46(-1,1.355) 47(-0.6,-1.355) 48(-0.6,1.355) 49(-0.2,-1.355) 50(-0.2,1.355) 51(0.2,-1.355) 52(0.2,1.355) 53(0.6,-1.355) 54(0.6,1.355) 55(1,-1.355) 56(1,1.355) 57(1.4,-1.355) 58(1.4,1.355) 59(1.8,-1.355) 60(1.8,1.355) 61(2.2,-1.355) 62(2.2,1.355) 63(2.6,-1.355) 64(2.6,1.355) 65(3,-1.355) 66(3,1.355) 67(3.4,-1.355) 68(3.4,1.355) 69(3.8,-1.355) 70(3.8,1.355) 71(4.2,-1.355) 72(4.2,1.355) 73(4.6,-1.355) 74(4.6,1.355) 75(5,-1.355) 76(5,1.355) 77(5.4,-1.355) 78(5.4,1.355) 79(5.8,-1.355) 80(5.8,1.355) 81(6.2,-1.355) 82(6.2,1.355) 83(6.6,-1.355) 84(6.6,1.355) 85(7,-1.355) 86(7,1.355) 87(7.4,-1.355) 88(7.4,1.355) 89(7.8,-1.355) 90(7.8,1.355) 91(8.2,-1.355) 92(8.2,1.355) 93(8.6,-1.355) 94(8.6,1.355) 95(9,-1.355) 96(9,1.355) 97(9.4,-1.355) 98(9.4,1.355) 99(9.8,-1.355) 100(9.8,1.355)
  rect 0.35x0.66 smd mask+0.05: MH1(-10.275,-1.355) MH2(-10.275,1.355) MH3(10.275,-1.355) MH4(10.275,1.355)
  silkscreen extent -10.76,-0.95 10.76,0.95, body extent -10.76,-1.49 10.76,1.48, height 1.13
IND4_CHOKE_0805 [mil] "IND4_CHOKE_0805"
  rect 36x16 smd mask+1.97: 1(33.46,15.75) 2(-33.46,15.75) 3(-33.46,-15.75) 4(33.46,-15.75)
  silkscreen extent -50,-35 50,35, body extent -51,-28 51,28, height 35
IND_74404041047 [mm]
  rect 1.5x3.6 smd mask+0.05: 1(-1.525,0) 2(1.525,0)
  silkscreen extent -2,-2 2,2, body extent -2,-2 2,2, height 1.17
L0402_H0.55MM#1 [mm]
  rect 0.5x0.5 smd mask+0.05: 1(-0.45,0) 2(0.45,0)
  silkscreen extent -0.05,-0.25 0.05,0.25, body extent -0.53,-0.27 0.53,0.28, height 0.55